# Altium PCB PCB1.PcbDoc (continued)
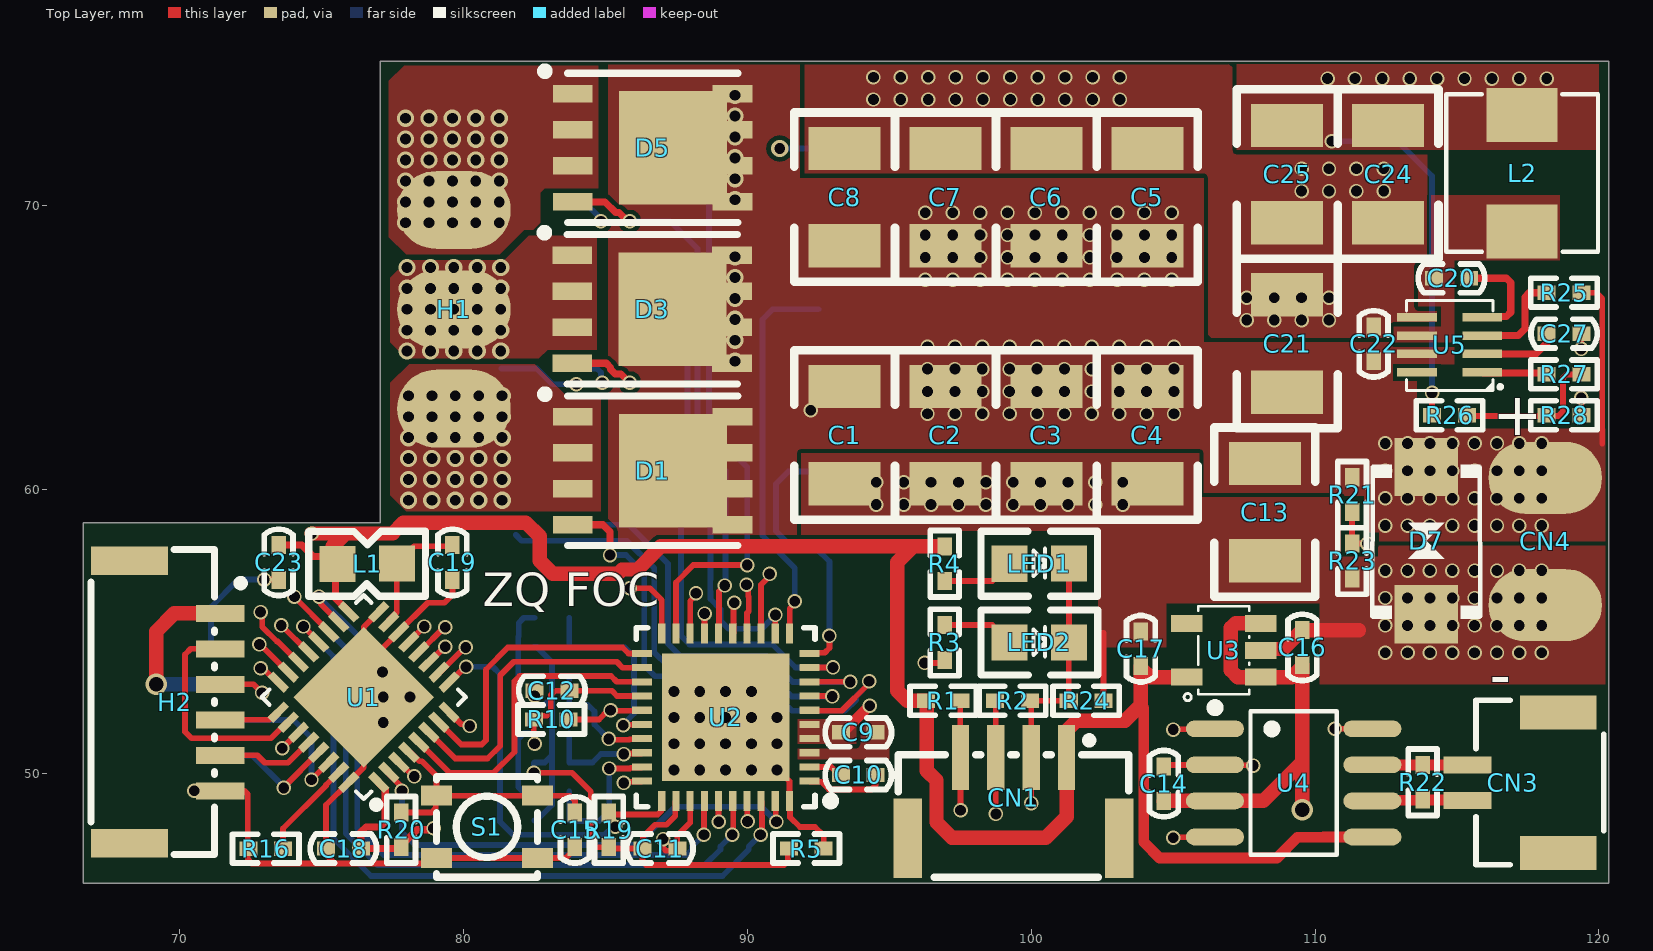
[diagram p0: Top Layer view]
## Nets (pads, with @x,y where several pads share a name; then routed paths per layer and width w, separated by ;. In a path a pad name is that pad's centre, name@x,y a point inside that pad or via, vN(x,y) a via of type N, cw(c..) or ccw(c..) an arc to the next point about the centre after c; other vN are vias at no path point)
3V3: C17.2 C18.1 C23.2 CN1.1 L1.1 R1.2 R4.1 R20.1 U1.1 U1.17 U3.5 U4.5 | length 97.3
  Top Layer w0.203: L1.1@75.372,57.559 75.39,57.541 L1.1
  Top Layer w0.254: C23.2 74.295,58.039 74.701,57.633 L1.1@75.298,57.633 ; L1.1@75.481,57.376 75.481,56.153 U1.17 ; U1.1 77.01,49.656 77.241,49.424 77.241,48.285 77.064,48.108 76.556,48.108 76.378,47.93 C18.1 77.754,47.346 R20.1 77.8,47.455 78.354,48.008 78.895,48.008 v1(78.943,48.057)
  Top Layer w0.381: 103.861,52.4 103.962,52.299 103.962,47.574 104.521,47.015 108.661,47.015 109.385,47.739 110.283,47.739 110.296,47.752 U4.5
  Top Layer w0.508: v1(74.651,58.445) 75.844,58.445 ; L1.1@75.39,57.541 75.39,57.991 75.844,58.445 ; R4.1 95.839,57.993 ; C17.2 C17.2@103.861,53.708 ; U3.5 104.188,53.381 C17.2@103.861,53.708 ; 75.844,58.445 77.495,58.445 77.876,58.826 82.194,58.826 82.677,58.344 82.677,57.48 83.134,57.023 85.426,57.023 85.578,57.175 86.131,57.175 86.949,57.993 95.839,57.993 ; 95.839,57.993 95.275,57.429 95.275,52.908 95.631,52.553 R1.2 96.317,52.522 96.317,50.089 96.66,49.746 96.66,48.273 97.206,47.727 100.508,47.727 101.249,48.468 CN1.1 101.295,50.598 101.295,51.544 101.592,51.841 103.302,51.841 103.861,52.4 C17.2@103.861,53.708
  Layer 1 w0.254: v1(74.651,58.445) 71.526,58.445 69.977,56.896 69.977,48.616 71.222,47.371 78.257,47.371 v1(78.943,48.057)
5V: C14.2 C16.2 C24.2 C25.2 CN2.2 H2.1 L2.2 R26.2 U3.1 U3.3 U4.3 | length 81.6
  Top Layer w0.203: v1(114.122,63.398) 114.122,62.615 R26.2
  Top Layer w0.508: v3(69.164,53.137) 69.164,54.991 69.803,55.63 H2.1 ; C14.2 104.678,49.022 108.179,49.022 109.55,50.394 ; U3.3 107.198,55.281 107.036,55.118 107.036,53.619 107.274,53.381 U3.1 109.177,53.381 C16.2@109.55,53.754 ; v3(109.55,48.717) 109.55,50.394 ; C16.2 C16.2@109.55,53.754 ; 109.55,50.394 C16.2@109.55,53.754
  Layer 1 w0.508: v3(69.164,53.137) 69.164,47.904 70.333,46.736 107.569,46.736 v3(109.55,48.717)
  Bottom Layer w0.203: v1(110.592,72.263) 112.903,72.263 114.122,71.044 v1(114.122,63.398)
  Bottom Layer w0.508: v3(69.164,53.137) 69.169,53.132 71.092,53.132 CN2.2
  other v1: 110.439,74.473 111.404,74.473 112.37,74.473 113.335,74.473 114.3,74.473 115.265,74.473 116.23,74.473 117.196,74.473 118.161,74.473
AGND: C11.1 C12.1 R5.1 R7.2 R9.2 R12.2 R15.2 R19.2 U2.32 | length 22.9
  Top Layer w0.203: v1@82.562,50.013 83.82,50.013 84.48,49.352 84.48,47.549 84.638,47.391 R19.2 85.161,47.346 C11.1 ; U2.32 87.457,48.995 87.457,48.493 87.147,48.184 86.741,48.184 86.309,47.752 86.309,47.351 C11.1 ; R5.1 91.432,47.317 91.432,46.906 91.288,46.761 86.426,46.761 86.304,46.883 C11.1
  Bottom Layer w0.203: v1(82.474,50.016) 82.474,50.35 R12.2 82.855,50.375 83.109,50.629 ; R15.2 82.563,48.336 83.109,48.882 83.109,52.669 ; R9.2 82.855,52.415 83.109,52.669 ; R7.2 82.563,54.454 83.109,53.908 83.109,52.669
  other v1: 82.499,52.73
CAN_N: CN3.2 R22.1 U4.6 | length 3.4
  Top Layer w0.381: U4.6 112.041,49.045 113.769,49.045 R22.1 113.804,49.055 115.355,49.055 CN3.2
CAN_P: CN3.1 R22.2 U4.7 | length 3.3
  Top Layer w0.381: U4.7 R22.2 CN3.1
DGND: C14.1 C15.1 C18.2 C19.1 C23.1 CN1.2 CN2.1 H2.6 LED1.2 LED2.2 R2.2 R16.1 R24.1 S1.1 U1.14 U1.16 U1.32 U1.33 U4.2 U4.8 | length 49.1
  Top Layer w0.203: v1(70.51,49.378) v1(70.51,49.378) 71.423,49.379 H2.6 71.427,49.378 72.271,49.378 72.39,49.259 72.39,46.965 72.535,46.82 75.456,46.82 ; v1(72.974,56.82) 73.477,56.82 C23.1 ; U1.16 76.48,55.155 U1.33@76.48,53.74 ; C19.1 79.604,56.286 79.324,56.007 78.733,56.007 77.717,54.991 U1.14 U1.33@76.48,53.74 ; C15.1 83.922,47.328 83.601,47.008 82.598,47.008 79.048,47.008 78.86,46.82 75.456,46.82 ; CN1.2 99.999,52.508 100.043,52.553 R24.1 101.321,54.6 LED2.2 101.331,57.381 LED1.2 ; v1(100,48.946) CN1.2@99.999,50.552 ; C14.1 104.724,50.292 U4.2 106.486,50.279 107.81,50.279 v1(107.823,50.267) ; v1(110.693,51.562) U4.8 ; 75.456,46.82 75.159,47.117 75.159,47.341 C18.2 75.154,48.879 U1.32 76.48,50.205 U1.33 U1.33@76.48,53.74
  Bottom Layer w0.203: CN2.1 71.097,55.857 72.06,56.82 v1(72.974,56.82)
  other v1: 77.165,51.791 77.165,52.68 78.105,52.68 77.14,53.569
DRV8323_CAL: R19.1 U1.9 U2.31 | length 14.6
  Top Layer w0.203: U1.9 79.517,53.21 80.054,53.746 v1(80.086,53.746) ; R19.1 85.09,48.59 85.09,48.311 85.286,48.115 v1(85.344,48.115) ; R19.1@85.154,48.539 86.838,48.539 86.957,48.658 86.957,48.995 U2.31
  Bottom Layer w0.203: v1(80.086,53.746) 81.026,53.746 81.28,53.492 81.28,48.285 81.737,47.828 84.974,47.828 85.262,48.115 v1(85.344,48.115)
DRV8323_EN: U1.10 U2.30 | length 11.1
  Top Layer w0.203: U1.10 79.174,53.563 80.041,54.431 v1(80.074,54.431) ; v1(85.638,49.657) 85.676,49.695 86.257,49.695 U2.30
  Layer 2 w0.203: v1(80.074,54.431) 80.087,54.444 82.767,54.444 84.506,52.705 84.506,50.071 84.92,49.657 v1(85.638,49.657)
DRV8323_HA: U1.18 U2.34 | length 24.1
  Top Layer w0.203: v1(74.905,56.223) 74.963,56.165 74.963,55.964 U1.18 ; v1(88.464,47.828) 88.472,47.836 88.472,49.01 U2.34
  Bottom Layer w0.203: v1(74.905,56.223) 74.905,56.21 76.251,54.864 76.251,48.047 77.181,47.117 87.855,47.117 88.048,47.31 88.048,47.412 v1(88.464,47.828)
DRV8323_HB: U1.19 U2.36 | length 26.6
  Top Layer w0.203: v1(74.036,56.223) 74.036,56.206 75.242,55 U1.19 ; v1(89.464,47.828) 89.496,47.86 89.496,49.003 U2.36
  Bottom Layer w0.203: v1(74.036,56.223) 74.036,56.206 75.844,54.398 75.844,47.879 76.962,46.761 88.499,46.761 89.048,47.31 89.048,47.412 v1(89.464,47.828)
DRV8323_HC: U1.20 U2.38 | length 26.2
  Top Layer w0.203: v1(74.355,55.169) 74.355,55.163 74.887,54.631 U1.20@74.887,54.624 ; v1(90.464,47.828) 90.512,47.876 90.512,48.512 90.504,48.521 90.504,48.995 U2.38
  Bottom Layer w0.203: v1(74.355,55.169) 75.413,54.111 75.413,47.7 76.732,46.38 89.118,46.38 90.048,47.31 90.048,47.412 v1(90.464,47.828)
DRV8323_LA: U1.12 U2.35 | length 16.6
  Top Layer w0.203: U1.12 78.444,54.271 79.317,55.143 v1(79.35,55.143) ; U2.35 88.984,49.015 88.984,48.289 v1(88.988,48.286)
  Layer 2 w0.203: v1(79.35,55.143) 79.408,55.202 79.623,55.202 79.716,55.294 83.186,55.294 86.208,52.273 86.208,49.55 86.685,49.073 88.824,49.073 88.988,48.908 v1(88.988,48.286)
DRV8323_LB: U1.13 U2.37 | length 18.2
  Top Layer w0.203: U1.13 v1(78.613,55.169) ; U2.37 89.992,49.006 89.992,48.314 v1(90.004,48.302)
  Layer 2 w0.203: v1(78.613,55.169) 79.096,55.651 83.368,55.651 86.69,52.329 86.69,49.606 86.843,49.454 89.713,49.454 90.004,49.162 v1(90.004,48.302)
DRV8323_LC: U1.2 U2.39 | length 17.2
  Top Layer w0.203: U1.2 77.363,49.974 77.767,49.57 77.767,49.436 v1(77.826,49.378) ; U2.39 91,48.998 91,48.305 v1(91.02,48.285)
  Bottom Layer w0.203: v1(77.826,49.378) 77.826,47.93 78.283,47.473 86.106,47.473 87.453,48.819 90.487,48.819 v1(91.02,48.285)
DRV8323_nF: R10.2 U1.11 U2.25 | length 11
  Top Layer w0.203: U1.11 78.793,53.917 79.334,54.458 v1(79.35,54.458) ; R10.2 84.772,51.892 85.094,52.214 v1(85.176,52.214) 85.193,52.197 86.259,52.197 U2.25
  Layer 2 w0.203: v1(79.35,54.458) 79.382,54.458 79.863,54.939 82.983,54.939 85.149,52.773 85.149,52.241 v1(85.176,52.214)
DRV8323_SOA: U1.5 U2.23 | length 11.3
  Top Layer w0.203: U1.5 79.5,50.013 81.051,50.013 81.788,50.749 81.788,53.242 81.97,53.424 85.188,53.424 85.393,53.218 U2.23
DRV8323_SOB: U1.6 U2.22 | length 10.8
  Top Layer w0.203: U1.6 79.707,50.513 80.844,50.513 81.288,50.956 81.288,53.449 81.763,53.924 85.395,53.924 85.601,53.718 U2.22
DRV8323_SOC: U1.7 U2.21 | length 10.4
  Top Layer w0.203: U1.7 79.914,51.013 80.637,51.013 80.788,51.163 80.788,53.657 81.556,54.424 85.602,54.424 85.808,54.218 U2.21
DVDD: C11.2 C12.2 R6.1 R8.1 R10.1 R11.1 R14.1 U2.24 U2.33 | length 24.7
  Top Layer w0.203: v1(82.499,51.036) 82.474,51.061 R10.1 82.605,52.023 82.939,52.023 83.071,52.155 83.071,52.743 83.236,52.908 C12.2 85.217,52.908 85.407,52.718 U2.24 ; v1(87.028,47.676) 87.02,47.668 87.02,47.371 87.122,47.269 87.452,47.269 C11.2 87.528,47.803 87.98,48.255 U2.33 U2.33@87.97,49.008
  Layer 1 w0.203: v1(82.499,51.036) 83.711,51.036 84.176,50.571 84.176,47.879 84.633,47.422 86.692,47.422 86.946,47.676 v1(87.028,47.676)
  Bottom Layer w0.203: 81.94,51.217 82.118,51.395 R11.1 v1(82.499,51.036) ; 81.94,53.257 82.118,53.434 R8.1 ; R14.1 82.47,49.327 82.118,49.327 81.928,49.517 81.928,54.813 81.94,54.826 81.94,55.296 82.118,55.474 R6.1
ENCODER_A: CN2.4 U1.29 | length 4.8
  Top Layer w0.203: v1(73.66,49.479) 73.66,49.507 U1.29
  Bottom Layer w0.203: CN2.4 72.552,50.627 73.66,49.519 v1(73.66,49.479)
ENCODER_B: CN2.3 U1.30 | length 6.1
  Top Layer w0.203: v1(74.641,49.769) 74.641,49.774 75.242,50.376 U1.30
  Bottom Layer w0.203: CN2.3 74.006,51.877 74.641,51.242 v1(74.641,49.769)
ENCODER_CLK: H2.2 U1.26 | length 8
  Top Layer w0.203: H2.2 70.382,54.38 70.18,54.178 70.18,51.46 70.409,51.232 73.209,51.232 73.773,51.796 U1.26
ENCODER_CS: H2.4 U1.25 | length 2.2
  Top Layer w0.203: H2.4 73.151,51.88 73.42,52.149 U1.25
ENCODER_MISO: H2.3 U1.27 | length 4.7
  Top Layer w0.203: H2.3 72.6,53.13 v1(72.898,52.832) ; v1(73.607,50.879) 73.612,50.879 74.176,51.442 U1.27
  Layer 2 w0.203: v1(72.898,52.832) 73.609,52.121 73.609,50.881 v1(73.607,50.879)
ENCODER_MOSI: H2.5 U1.28 | length 3.5
  Top Layer w0.203: H2.5 72.728,50.63 72.99,50.368 73.814,50.368 U1.28
FDCAN_RX: U1.21 U4.4 | length 43.3
  Top Layer w0.203: v1(73.571,55.207) 73.585,55.207 74.521,54.271 U1.21 ; v1(105.004,47.727) 105.016,47.739 106.46,47.739 U4.4
  Layer 2 w0.203: v1(73.571,55.207) 73.571,55.131 74.244,54.458 75.843,54.458 77.392,56.007 83.515,56.007 85.242,54.28 91.288,54.28 92.659,55.651 98.146,55.651 98.603,55.194 98.603,52.177 99.726,51.054 104.546,51.054 105.004,50.597 v1(105.004,47.727)
FDCAN_TX: U1.22 U4.1 | length 41.1
  Top Layer w0.203: v1(72.847,55.677) 72.906,55.618 72.906,55.154 73.42,54.64 73.453,54.64 74.176,53.917 U1.22 ; v1@105.016,51.549 U4.1@106.46,51.549
  Layer 2 w0.203: v1(72.847,55.677) 72.885,55.715 76.416,55.715 77.064,56.363 83.668,56.363 85.344,54.686 91.11,54.686 92.532,56.109 98.349,56.109 99.085,55.372 99.085,52.426 99.974,51.537 v1(105.004,51.537)
NetC9_1: C9.1 U2.3
NetC10_1: C10.1 U2.1 | length 2.9
  Top Layer w0.203: U2.1 92.204,49.695 92.605,49.695 92.871,49.428 94.361,49.428 94.518,49.586 C10.1
NetC10_2: C10.2 U2.2 | length 1.2
  Top Layer w0.203: U2.2 92.949,50.218 93.231,49.936 C10.2
NetC15_2: C15.2 R20.2 S1.2 U1.4 | length 9.1
  Top Layer w0.203: R20.2 78.867,48.616 79.019,48.768 79.019,49.179 S1.2@79.048,49.208 ; U1.4 78.125,50.735 78.441,50.419 78.536,50.419 79.048,49.907 S1.2@79.048,49.208 ; C15.2 83.922,49.022 83.736,49.208 82.598,49.208 S1.2@79.048,49.208
NetC19_2: C19.2 L1.2 U1.15 | length 4.4
  Top Layer w0.203: U1.15 77.363,55.385 77.646,55.668 L1.2 78.258,57.993 79.548,57.993 C19.2@79.599,58.044
NetC20_1: C20.1 U5.4 | length 3.7
  Top Layer w0.254: C20.1@115.367,67.437 116.742,67.437 116.891,67.288 116.891,66.242 116.742,66.093 115.912,66.093 U5.4
NetC20_2: C20.2 L2.1 U5.6
NetC27_2: C27.2 U5.2 | length 2.8
  Top Layer w0.254: U5.2 117.78,64.77 118.161,65.151 C27.2
NetD1_1: D1.1 U2.6 | length 18.7
  Top Layer w0.203: U2.6 92.202,52.197 93.324,52.197 94.285,53.158 v1(94.285,53.238)
  Top Layer w0.254: D1.1 84.912,58.75 85.156,58.506 v1(85.156,57.683)
  Bottom Layer w0.203: v1(85.156,57.683) 85.725,57.683 86.36,57.048 86.36,53.797 86.741,53.416 90.348,53.416 91.567,52.197 93.44,52.197 93.833,52.59 93.833,52.707 94.285,53.158 v1(94.285,53.238)
NetD1_3: D1.3 D2.2 H1.1 U2.7 | length 16
  Top Layer w0.203: U2.7 v1@92.976,52.718
  Bottom Layer w0.203: 81.836,58.397 82.042,58.191 83.041,58.191 84.652,58.191 85.75,58.191 86.716,57.226 86.716,54.254 87.198,53.772 90.495,53.772 91.562,52.705 v1(92.989,52.705)
  other v2: 78.054,59.614 78.88,59.614 79.705,59.614 80.531,59.614 81.356,59.614 78.054,60.35 78.88,60.35 79.705,60.35 80.531,60.35 81.356,60.35 78.054,61.087 78.88,61.087 79.705,61.087 80.531,61.087 81.356,61.087 78.054,61.824 78.88,61.824 79.705,61.824 80.531,61.824 81.356,61.824 78.054,62.56 78.88,62.56 79.705,62.56 80.531,62.56 81.356,62.56 78.054,63.297 78.88,63.297 79.705,63.297 80.531,63.297 81.356,63.297
NetD2_1: D2.1 U2.8 | length 15.2
  Top Layer w0.203: U2.8 92.181,53.217 v1@93.624,53.217 ; v1@93.624,53.217 v1(93.625,53.216)
  Bottom Layer w0.203: D2.1 85.827,58.75 87.198,57.379 87.198,54.559 87.63,54.127 90.678,54.127 91.592,53.213 93.621,53.213 v1(93.625,53.216)
NetD2_3: D2.3 R13.2 U2.9 | length 13.9
  Top Layer w0.203: U2.9 92.184,53.722 93.011,53.722 v1(93.015,53.726)
  Bottom Layer w0.203: R13.2 87.376,60.655 87.655,60.376 87.655,54.839 87.96,54.534 90.881,54.534 91.689,53.726 v1(93.015,53.726)
NetD3_1: D3.1 U2.15 | length 17.4
  Top Layer w0.203: U2.15 89.504,54.942 89.504,55.976 v1(89.535,56.007)
  Top Layer w0.254: D3.1@83.844,64.44 85.026,64.44 85.174,64.291 85.174,64.229 85.338,64.065 85.541,64.065 v1(85.852,63.754)
  Layer 1 w0.203: v1(85.852,63.754) 89.916,63.754 91.516,62.154 91.516,56.845 90.678,56.007 v1(89.535,56.007)
NetD3_3: D3.3 D4.2 H1.2 U2.14 | length 16.2
  Top Layer w0.203: v1(89.967,56.642) 90.025,56.584 90.025,56.235 90.043,56.217 90.043,55.702 89.98,55.639 U2.14
  Layer 1 w0.203: v1(83.972,63.703) 85.09,62.586 88.544,62.586 89.103,62.027 89.103,57.505 v1(89.967,56.642)
  Bottom Layer w0.203: 81.331,64.262 82.575,64.262 83.134,63.703 v1(83.972,63.703)
  other v2: 78.003,64.872 78.829,64.872 79.654,64.872 80.48,64.872 81.305,64.872 78.003,65.608 78.829,65.608 79.654,65.608 80.48,65.608 81.305,65.608 78.003,66.345 78.829,66.345 79.654,66.345 80.48,66.345 81.305,66.345 78.003,67.081 78.829,67.081 79.654,67.081 80.48,67.081 81.305,67.081 78.003,67.818 78.829,67.818 79.654,67.818 80.48,67.818 81.305,67.818
NetD4_1: D4.1 U2.13 | length 15.3
  Top Layer w0.203: U2.13 90.475,54.924 90.475,56.636 90.78,56.941 v1(90.78,57.023)
  Layer 1 w0.203: v1(84.887,63.754) 85.522,63.119 89.611,63.119 90.78,61.951 v1(90.78,57.023)
  Bottom Layer w0.203: D4.1 84.025,64.262 84.689,64.262 84.838,64.113 84.838,63.803 v1(84.887,63.754)
NetD4_3: D4.3 R17.2 U2.12 | length 16.1
  Top Layer w0.203: U2.12 90.982,54.92 v1(90.983,55.575) v1(90.983,55.575)
  Bottom Layer w0.203: R17.2 87.732,66.345 87.884,66.192 87.884,61.138 88.697,60.325 88.697,56.827 88.692,56.822 88.692,56.402 88.697,56.397 88.697,56.134 89.052,55.778 89.052,55.372 89.332,55.093 90.5,55.093 v1(90.983,55.575)
NetD5_1: D5.1 U2.16 | length 19.2
  Top Layer w0.203: U2.16 88.996,54.934 88.996,56.408 v1(89.2,56.612)
  Top Layer w0.254: D5.1 84.981,70.129 85.355,69.755 85.472,69.755 85.783,69.444 v1(85.852,69.444)
  Bottom Layer w0.203: v1(85.852,69.444) 87.274,69.444 88.24,68.478 88.24,61.646 89.23,60.655 89.23,56.642 v1(89.2,56.612)
NetD5_3: D5.3 D6.2 H1.3 U2.17 | length 19.6
  Top Layer w0.203: U2.17 88.484,54.922 88.484,55.62 v1(88.488,55.624)
  Layer 2 w0.203: v2(81.255,69.393) 81.788,69.393 82.194,68.986 82.194,58.877 85.447,55.624 v1(88.488,55.624)
  other v2: 77.953,69.393 78.778,69.393 79.604,69.393 80.429,69.393 77.953,70.129 78.778,70.129 79.604,70.129 80.429,70.129 81.255,70.129 77.953,70.866 78.778,70.866 79.604,70.866 80.429,70.866 81.255,70.866 77.953,71.603 78.778,71.603 79.604,71.603 80.429,71.603 81.255,71.603 77.953,72.339 78.778,72.339 79.604,72.339 80.429,72.339 81.255,72.339 77.953,73.076 78.778,73.076 79.604,73.076 80.429,73.076 81.255,73.076
NetD6_1: D6.1 U2.18 | length 22
  Top Layer w0.203: U2.18 87.98,56.066 88.188,56.274 v1(88.188,56.337)
  Layer 2 w0.203: v1(84.836,69.444) 83.236,69.444 82.728,68.936 82.728,58.903 82.855,58.776 82.855,58.764 85.612,56.007 87.776,56.007 88.106,56.337 v1(88.188,56.337)
  Bottom Layer w0.203: D6.1 84.242,70.129 84.778,69.594 84.778,69.502 v1(84.836,69.444)
NetD6_3: D6.3 R18.2 U2.19 | length 21.8
  Top Layer w0.203: U2.19 87.48,56.721 88.092,57.333 v1(89.993,57.333)
  Bottom Layer w0.203: R18.2 87.732,72.034 88.646,71.12 88.646,62.128 89.993,60.781 v1(89.993,57.333)
NetLED1_1: LED1.1 R4.2 | length 2.5
  Top Layer w0.203: R4.2 98.628,56.769 LED1.1
NetLED2_1: LED2.1 R3.2 | length 2.5
  Top Layer w0.203: R3.2 98.626,55.22 LED2.1
NetR6_2: R6.2 R7.1 U2.26 | length 6.7
  Top Layer w0.203: v1(85.623,51.689) 85.638,51.704 86.265,51.704 U2.26
  Bottom Layer w0.203: R6.2 R7.1 83.745,54.432 85.674,54.432 86.004,54.102 86.004,52.098 85.623,51.717 v1(85.623,51.689)
NetR8_2: R8.2 R9.1 U2.27 | length 4.3
  Top Layer w0.203: v1(85.115,51.206) 85.141,51.181 85.834,51.181 85.848,51.195 86.253,51.195 U2.27@86.264,51.206
  Bottom Layer w0.203: R8.2 R9.1 84.364,52.415 84.607,52.172 84.607,51.714 v1(85.115,51.206)
NetR11_2: R11.2 R12.1 U2.28 | length 3.7
  Top Layer w0.203: v1(85.638,50.673) 85.661,50.696 86.257,50.696 U2.28
  Bottom Layer w0.203: R11.2 R12.1 84.538,50.375 84.836,50.673 v1(85.638,50.673)
NetR14_2: R14.2 R15.1 U2.29 | length 5.3
  Top Layer w0.203: v1(85.13,50.165) 85.849,50.165 85.878,50.195 86.257,50.195 U2.29
  Bottom Layer w0.203: R14.2 R15.1 83.749,48.311 84.77,48.311 85.13,48.671 v1(85.13,50.165)
NetR16_2: R16.2 U1.31 | length 3.5
  Top Layer w0.203: R16.2 73.64,48.049 75.149,49.558 75.149,49.581 U1.31
NetR21_1: R21.1 R23.1 U1.8 | length 45.7
  Top Layer w0.203: U1.8@79.486,52.149 79.913,51.722 80.155,51.722 v1(80.213,51.664) ; R21.1 R23.1 v1(111.836,58.09)
  Layer 1 w0.203: v1(80.213,51.664) 83.922,51.664 84.557,51.029 84.557,49.073 84.811,48.819 91.796,48.819 93.167,47.447 103.708,47.447 104.75,48.489 108.052,48.489 109.322,49.759 110.668,49.759 111.836,50.927 v1(111.836,58.09)
NetR25_2: R25.2 U5.3 | length 3.6
  Top Layer w0.254: U5.3 117.16,65.42 117.399,65.659 117.399,66.78 117.548,66.929 R25.2
NetR26_1: R26.1 R27.2 R28.2 | length 5.3
  Top Layer w0.203: R26.1 115.376,62.586 118.567,62.586 118.732,62.751 118.732,63.931 118.851,64.05 R27.2
NetR27_1: R27.1 U5.1 | length 2.3
  Top Layer w0.254: U5.1 115.912,64.097 118.114,64.097 R27.1
PGND: C1.1 C2.1 C3.1 C4.1 C5.1 C6.1 C7.1 C8.1 C13.1 C16.1 C17.1 C21.1 C22.1 C24.1 C25.1 C27.1 CN4.2 D7.2 R5.2 R13.1 R17.1 R18.1 R23.2 R24.2 R28.1 U2.10 U2.11 U2.20 U2.40 U2.41 U3.2 U5.5 | length 64.9
  Top Layer w0.203: v1(85.852,56.515) 86.563,56.515 86.98,56.098 U2.20 ; U2.41 91.48,49.718 U2.40 91.504,48.995 91.504,48.45 91.846,48.108 92.38,48.108 92.685,47.803 R5.2 ; U2.11 91.491,54.929 91.491,55.798 91.669,55.975 v1(91.669,56.058) ; U2.10 92.204,54.242 92.723,54.242 92.888,54.407 v1(92.888,54.839) ; 102.54,54.94 102.545,54.935 R24.2 ; v1(119.38,63.221) 119.38,62.616 R28.1 ; v1(119.38,64.948) 119.38,65.485 C27.1
  Top Layer w0.508: U3.2 108.128,54.377 108.885,54.377 109.487,54.978 109.55,54.978 C16.1 111.547,55.042
  Layer 2 w0.203: v1(85.852,56.515) 85.794,56.573 85.548,56.573 83.21,58.911 83.21,68.478 83.668,68.936 90.5,68.936 91.135,69.571 v2(91.135,72.009)
  Bottom Layer w0.203: v2(91.135,72.009) 92.481,72.009 R18.1 ; v1(91.669,56.058) 91.669,57.233 90.526,58.376 90.526,65.989 90.881,66.345 R17.1 ; R13.1 92.481,60.63 91.44,60.63 91.008,60.198 91.008,58.522 91.592,57.937 92.405,57.937 92.888,57.455 v1(92.888,54.839)
  other v1: 87.414,50.114 88.322,50.114 89.23,50.114 90.138,50.114 91.046,50.114 87.414,51.037 88.322,51.037 89.23,51.037 90.138,51.037 91.046,51.037 87.414,51.96 88.322,51.96 89.23,51.96 90.138,51.96 91.046,51.96 87.414,52.883 88.322,52.883 89.23,52.883 90.138,52.883 112.471,54.243 113.259,54.243 114.046,54.243 114.833,54.243 115.621,54.243 116.408,54.243 117.196,54.243 117.983,54.243 112.471,55.208 113.259,55.208 114.046,55.208 114.833,55.208 115.621,55.208 116.408,55.208 117.196,55.208 117.983,55.208 112.471,56.173 113.259,56.173 114.046,56.173 114.833,56.173 115.621,56.173 116.408,56.173 117.196,56.173 117.983,56.173 112.471,57.138 113.259,57.138 114.046,57.138 114.833,57.138 115.621,57.138 116.408,57.138 117.196,57.138 117.983,57.138 94.539,59.461 95.504,59.461 96.469,59.461 97.434,59.461 98.4,59.461 99.365,59.461 100.33,59.461 101.295,59.461 102.26,59.461 103.226,59.461 94.539,60.249 95.504,60.249 96.469,60.249 97.434,60.249 98.4,60.249 99.365,60.249 100.33,60.249 101.295,60.249 102.26,60.249 103.226,60.249 107.594,65.964 108.56,65.964 109.525,65.964 110.49,65.964 107.594,66.751 108.56,66.751 109.525,66.751 110.49,66.751 109.525,70.51 110.49,70.51 111.455,70.51 112.42,70.51 109.525,71.298 110.49,71.298 111.455,71.298 112.42,71.298 94.437,73.736 95.402,73.736 96.368,73.736 97.333,73.736 98.298,73.736 99.263,73.736 100.228,73.736 101.194,73.736 102.159,73.736 103.124,73.736 94.437,74.524 95.402,74.524 96.368,74.524 97.333,74.524 98.298,74.524 99.263,74.524 100.228,74.524 101.194,74.524 102.159,74.524 103.124,74.524
STATE_LED: R3.1 U1.3 | length 27.9
  Top Layer w0.203: U1.3 77.739,50.381 78.235,49.886 v1(78.257,49.886) ; v1(96.241,53.885) 96.837,53.885 R3.1
  Layer 2 w0.203: v1(78.257,49.886) 78.257,49.803 78.435,49.625 78.435,47.777 79.045,47.168 95.352,47.168 96.241,48.057 v1(96.241,53.885)
SWCLK: CN1.3 R2.1 U1.24 | length 37.5
  Top Layer w0.203: v1(72.847,53.696) 72.906,53.637 72.993,53.637 73.42,53.21 U1.24@73.473,53.21 ; R2.1 98.749,52.534 CN1.3 98.752,50.549 98.752,48.568 v1(98.755,48.565)
  Layer 2 w0.203: v1(72.847,53.696) 75.362,51.181 75.362,47.574 76.479,46.457 97.917,46.457 98.755,47.295 v1(98.755,48.565)
SWDIO: CN1.4 R1.1 U1.23 | length 37
  Top Layer w0.203: v1(72.803,54.538) 72.831,54.538 73.424,53.944 73.428,53.944 73.809,53.563 U1.23 ; v1(97.511,48.692) 97.505,48.698 97.505,50.546 CN1.4 97.499,52.541 R1.1
  Layer 2 w0.203: v1(72.803,54.538) 72.831,54.538 75.794,51.575 75.794,47.752 76.733,46.812 97.003,46.812 97.509,47.319 97.509,48.69 v1(97.511,48.692)
VBUS: C1.2 C2.2 C3.2 C4.2 C5.2 C6.2 C7.2 C8.2 C9.2 C13.2 C21.2 C22.2 CN4.1 D1.2 D3.2 D5.2 D7.1 R21.2 R25.1 U2.4 U2.5 U5.7 | length 19.2
  Top Layer w0.203: R25.1 119.913,66.929 120.117,66.726 120.117,61.62
  Top Layer w0.381: C9.2 93.358,51.435 94.297,52.375 v1(94.31,52.375)
  Layer 1 w0.381: v1(92.227,62.789) 92.227,56.794 95.021,54 95.021,53.086 v1(94.31,52.375)
  other v1: 112.471,58.725 113.259,58.725 114.046,58.725 114.833,58.725 115.621,58.725 116.408,58.725 117.196,58.725 117.983,58.725 112.471,59.69 113.259,59.69 114.046,59.69 114.833,59.69 115.621,59.69 116.408,59.69 117.196,59.69 117.983,59.69 112.471,60.655 113.259,60.655 114.046,60.655 114.833,60.655 115.621,60.655 116.408,60.655 117.196,60.655 117.983,60.655 112.471,61.62 113.259,61.62 114.046,61.62 114.833,61.62 115.621,61.62 116.408,61.62 117.196,61.62 117.983,61.62 96.342,62.662 97.307,62.662 98.273,62.662 99.238,62.662 100.203,62.662 101.168,62.662 102.133,62.662 103.099,62.662 104.064,62.662 105.029,62.662 96.342,63.449 97.307,63.449 98.273,63.449 99.238,63.449 100.203,63.449 101.168,63.449 102.133,63.449 103.099,63.449 104.064,63.449 105.029,63.449 96.342,64.237 97.307,64.237 98.273,64.237 99.238,64.237 100.203,64.237 101.168,64.237 102.133,64.237 103.099,64.237 104.064,64.237 105.029,64.237 96.342,65.024 97.307,65.024 98.273,65.024 99.238,65.024 100.203,65.024 101.168,65.024 102.133,65.024 103.099,65.024 104.064,65.024 105.029,65.024 96.266,67.386 97.231,67.386 98.196,67.386 99.162,67.386 100.127,67.386 101.092,67.386 102.057,67.386 103.022,67.386 103.988,67.386 104.953,67.386 96.266,68.174 97.231,68.174 98.196,68.174 99.162,68.174 100.127,68.174 101.092,68.174 102.057,68.174 103.022,68.174 103.988,68.174 104.953,68.174 96.266,68.961 97.231,68.961 98.196,68.961 99.162,68.961 100.127,68.961 101.092,68.961 102.057,68.961 103.022,68.961 103.988,68.961 104.953,68.961 96.266,69.748 97.231,69.748 98.196,69.748 99.162,69.748 100.127,69.748 101.092,69.748 102.057,69.748 103.022,69.748 103.988,69.748 104.953,69.748
  other v2: 89.56,64.516 89.56,65.253 89.56,65.989 89.56,66.726 89.56,67.462 89.56,68.199 89.56,70.206 89.56,70.942 89.56,71.679 89.56,72.415 89.56,73.152 89.56,73.889
pads on no net: CN1.5 CN1.6 CN2.5 CN2.6 CN3.0 H2.7 H2.8 U3.4 U5.8

## Polygon pours and split planes (outlines as drawn)
PGND on Top Layer "Top Layer-PGND" (solid, pour order 27): 91.973,71.095 106.172,71.095 106.197,71.069 106.197,65.176 112.776,65.176 112.776,65.735 114.452,65.735 114.452,66.446 113.64,66.446 113.64,67.869 114.097,67.869 114.097,70.358 113.944,70.358 113.944,71.933 107.188,71.933 107.188,74.981 91.973,74.955
VBUS on Top Layer "Top Layer-VBUS" (solid, pour order 25): 111.735,58.496 112.268,58.496 112.268,58.064 120.218,58.064 120.218,62.128 113.589,62.128 113.589,63.83 112.776,63.83 112.776,64.414 114.91,64.414 114.91,65.176 107.188,65.176 106.07,65.176 106.07,70.968 91.846,70.968 91.846,74.955 85.09,74.955 85.09,57.963 91.846,57.963 91.846,61.316 105.969,61.316 105.969,59.766 111.735,59.766
PGND on Top Layer "PGND_L01_P023" (solid, pour order 23): 91.897,61.265 91.897,57.963 96.418,57.963 96.418,58.547 102.362,58.547 102.362,54.432 104.75,54.432 104.75,55.982 110.16,55.982 110.16,53.137 120.218,53.137 120.218,58.014 112.217,58.014 112.217,57.633 110.896,57.633 110.896,59.715 105.918,59.715 105.918,61.265
NetC9_1 on Top Layer "NETC9_1_L01_P022" (solid, pour order 22): 91.77,51.003 91.77,50.495 94.996,50.495 94.996,51.892 93.878,51.892 93.878,51.003
VBUS on Top Layer "VBUS_L01_P021" (solid, pour order 21): 91.77,51.892 91.77,51.029 93.828,51.029 93.828,51.892
NetC20_2 on Top Layer "NETC20_2_L01_P001" (solid, pour order 1): 118.618,68.072 118.618,70.358 114.097,70.358 114.097,67.869 113.64,67.869 113.64,66.446 114.452,66.446 114.452,65.735 112.776,65.735 112.776,65.176 114.91,65.176 114.91,68.072
5V on Top Layer "5V_L01_P004" (solid, pour order 4): 119.99,71.958 107.239,71.958 107.239,74.981 119.99,74.981
NetD1_3 on Top Layer "NETD1_3_L01_P006" (solid, pour order 6): 77.419,63.754 77.419,59.792 77.978,59.233 84.836,59.233 84.836,63.348 83.566,63.348 82.499,64.414 78.08,64.414
NetD5_3 on Top Layer "NETD5_3_L01_P008" (solid, pour order 8): 84.734,70.612 82.855,70.612 82.702,70.46 82.702,69.393 82.448,69.139 82.144,69.139 81.28,68.275 77.978,68.275 77.368,68.885 77.368,74.397 77.902,74.93 84.734,74.93
NetD3_3 on Top Layer "NETD3_3_L01_P005" (solid, pour order 5): 84.684,68.936 82.296,68.936 81.432,68.072 78.029,68.072 77.419,67.462 77.419,65.176 77.978,64.618 82.652,64.618 82.956,64.922 84.684,64.922
PGND on Bottom Layer (solid, pour order 34): 86.741,49.581 87.147,49.174 97.155,49.174 97.841,49.86 97.841,54.381 120.244,54.381 120.244,58.318 110.668,58.318 110.668,59.69 105.867,59.69 105.867,61.951 95.25,61.951 95.25,70.18 106.223,70.18 106.223,65.354 113.792,65.354 113.792,70.714 112.751,71.755 110.033,71.755 110.033,74.905 91.338,74.905 91.338,58.598 91.719,58.217 92.608,58.217 93.218,57.607 93.218,54.127 93.624,53.721 94.336,53.721 94.691,53.365 94.691,52.121 94.539,51.968 91.415,51.968 90.119,53.264 87.02,53.264 86.741,52.984
VBUS on Bottom Layer "VBUS_L04_P032" (solid, remove dead copper, pour order 32): 95.275,70.155 95.275,61.976 105.918,61.976 105.918,59.741 110.719,59.741 110.719,58.369 120.244,58.369 120.244,74.981 110.084,74.981 110.084,71.831 112.751,71.831 113.868,70.714 113.868,65.303 106.147,65.303 106.147,70.155
NetD3_3 on Bottom Layer "NETD3_3_L04_P017" (solid, pour order 17): 82.499,64.008 77.368,64.008 77.368,68.682 82.499,68.682
NetD1_3 on Bottom Layer "NETD1_3_L04_P016" (solid, pour order 16): 82.499,57.963 77.368,57.963 77.368,63.652 82.499,63.652
NetD5_3 on Bottom Layer "NETD5_3_L04_P015" (solid, pour order 15): 82.499,74.778 77.368,74.778 77.368,68.936 82.499,68.936
NetD2_3 on Bottom Layer "NETD2_3_L04_P014" (solid, pour order 14): 82.652,63.297 82.652,59.385 84.836,59.385 84.836,58.674 87.173,58.674 87.173,63.297
NetD6_3 on Bottom Layer "NETD6_3_L04_P013" (solid, pour order 13): 82.652,74.676 82.652,70.764 84.836,70.764 84.836,70.053 87.173,70.053 87.173,74.676
NetD4_3 on Bottom Layer "NETD4_3_L04_P012" (solid, pour order 12): 82.652,68.986 82.652,65.075 84.836,65.075 84.836,64.364 87.173,64.364 87.173,68.986
NetD1_3 on Layer 2 "NETD1_3_L03_P038" (solid, pour order 38): 81.509,59.004 81.864,59.36 81.864,63.449 81.585,63.729 77.622,63.729 77.292,63.398 77.292,59.309 77.597,59.004
NetD3_3 on Layer 2 "NETD3_3_L03_P037" (solid, pour order 37): 77.673,68.707 77.318,68.351 77.318,64.313 77.648,63.983 81.407,63.983 81.839,64.414 81.839,68.25 81.382,68.707
NetD5_3 on Layer 2 "NETD5_3_L03_P036" (solid, pour order 36): 77.724,73.635 77.368,73.279 77.368,69.24 77.699,68.91 81.305,68.91 81.813,69.418 81.813,73.076 81.255,73.635
VBUS on Layer 2 "VBUS_L03_P030" (solid, pour order 30): 84.988,58.674 106.248,58.674 106.248,56.083 110.414,56.083 110.414,53.746 118.491,53.746 118.491,71.755 107.315,71.755 107.315,74.981 107.239,74.905 84.988,74.905
3V3 on Layer 2 "3V3_L03_P029" (solid, remove dead copper, pour order 29): 66.726,58.674 66.726,46.253 106.172,46.253 106.172,53.645 110.363,53.645 110.338,53.67 110.338,55.982 106.147,55.982 106.147,58.572
5V on Layer 2 "5V_L03_P028" (solid, pour order 28): 107.467,71.882 118.643,71.882 118.643,53.594 106.223,53.594 106.223,46.177 120.294,46.177 120.294,75.006 120.269,74.981 107.467,74.981
PGND on Layer 1 "PGND_L02_P042" (solid, pour order 42): 93.37,74.905 92.71,74.244 92.71,59.461 93.421,58.75 106.426,58.75 106.578,58.598 106.578,56.464 106.832,56.21 110.541,56.21 110.744,56.007 110.744,54.051 111.125,53.67 119.888,53.67 120.269,54.051 120.269,74.549 119.837,74.981
NetD5_3 on Layer 1 "NETD5_3_L02_P041" (solid, pour order 41): 81.458,68.834 81.813,69.19 81.813,73.254 81.534,73.533 77.572,73.533 77.292,73.254 77.292,69.266 77.724,68.834
NetD1_3 on Layer 1 "NETD1_3_L02_P040" (solid, pour order 40): 77.699,63.729 77.343,63.373 77.343,59.309 77.622,59.03 81.585,59.03 81.864,59.309 81.864,63.297 81.432,63.729
NetD3_3 on Layer 1 "NETD3_3_L02_P039" (solid, pour order 39): 77.673,68.707 77.318,68.351 77.318,64.287 77.597,64.008 81.559,64.008 81.839,64.287 81.839,68.275 81.407,68.707
DGND on Layer 1 "DGND_L02_P035" (solid, remove dead copper, pour order 35): 66.726,58.699 66.726,46.253 67.615,46.253 67.691,46.177 110.465,46.177 110.465,54.127 110.465,56.032 106.223,56.032 106.223,58.623

## Silkscreen, mask and mechanical layers (free items; w line width, h text height)
Top Overlay:
  text "+" at 116.256,61.9 h1.52
  text "ZQ FOC" at 80.671,55.5 h2.03
  text "-" at 116.154,52.705 h1.52
Bottom Overlay:
  drawing of 251 lines, arcs and shapes, not listed
  text "+" at 84.861,54.97 h1.02
  text "MODE" at 81.382,54.585 h0.76
  text "-" at 84.861,53.917 h1.02
  text "+" at 84.861,52.928 h1.02
  text "IDRIVE" at 81.382,52.545 h0.76
  text "ZQ FOC V1.0" at 119.556,52.002 h3.81
  text "-" at 84.861,51.878 h1.02
  text "+" at 84.861,50.892 h1.02
  text "VDS" at 81.382,50.506 h0.76
  text "-" at 84.861,49.835 h1.02
  text "2025/04/14" at 119.558,49.357 h3.81
  text "+" at 84.861,48.853 h1.02
  text "GAIN" at 81.382,48.463 h0.76
  text "-" at 84.861,47.799 h1.02
  text "DreamChaser Tech™" at 119.556,46.831 h3.81
Mechanical 1:
  lines w0.254: 66.599,46.126 120.345,46.126 120.345,75.082 77.064,75.082 77.064,74.854 77.064,74.6 77.064,58.826 66.599,58.826 66.599,46.126